# Altium PCB DIOT_Kasli_Adapter.PcbDoc (part 4 of 10)
Units mm, origin at the board's own origin, x right, y up, seen from the top; angles counter-clockwise.
Board outline 220.04 x 100 mm, 12 copper layers (Top Layer, L2GND, L3, L4, L5GND, L6, L7, L8GND, L9, L10, L11GND, Bottom Layer), stack 1.691 mm thick; 201 components, 445 nets, 1582 pads, 691 vias.
Unrouted connection lines stored in the file: 4.
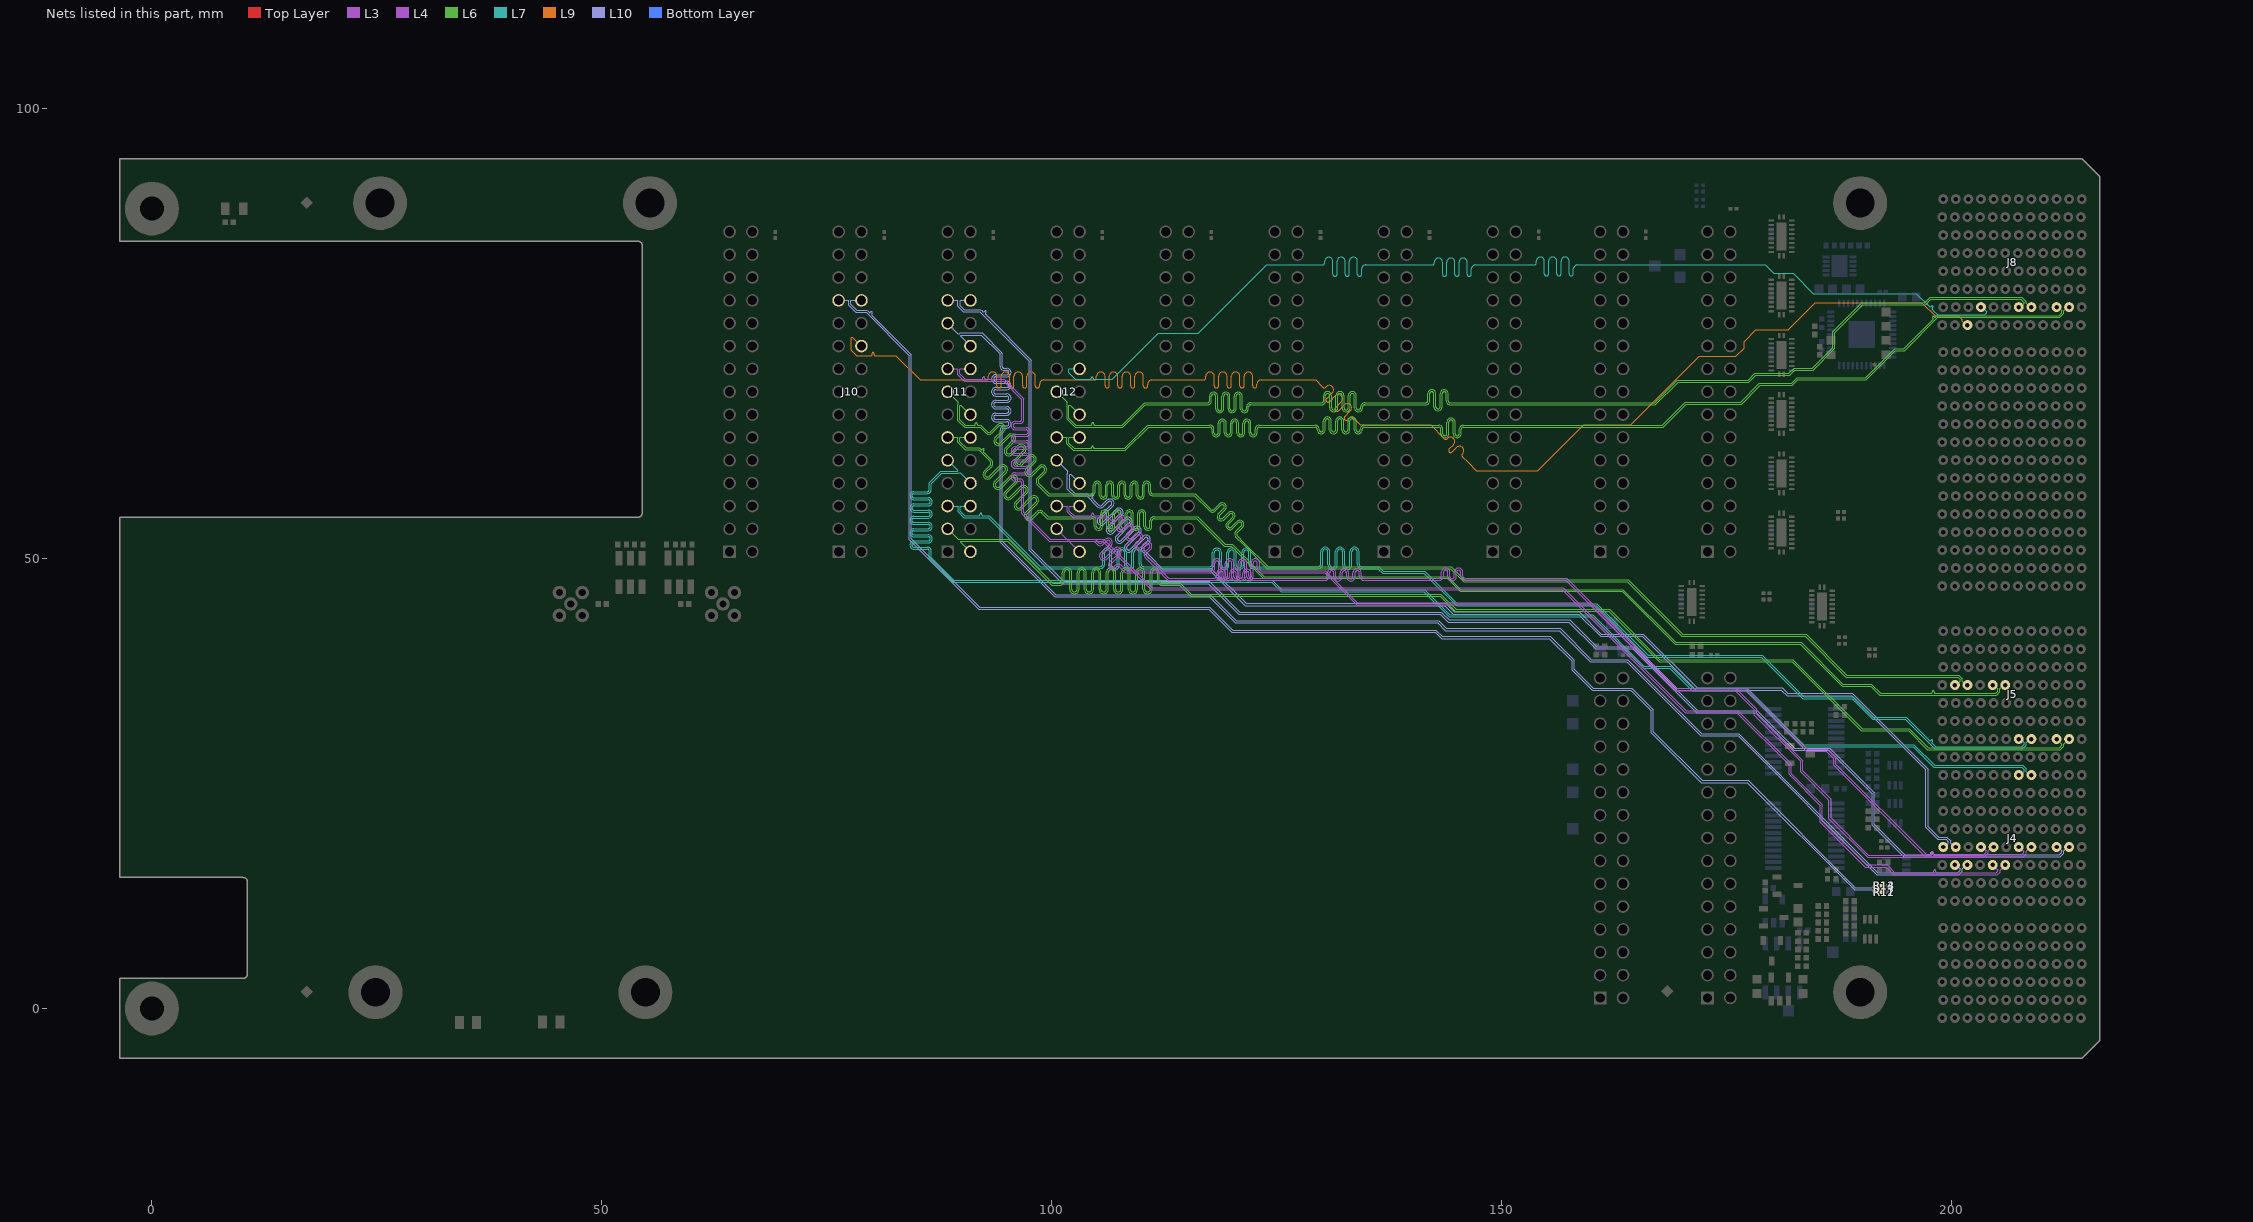
[diagram p14: the nets of this part, all layers, seen from the top]

## Via types
v1: diameter 0.5, hole 0.2, Top Layer to Bottom Layer, tented both sides, 649 vias
v2: diameter 0.5, hole 0.2, Top Layer to Bottom Layer, 32 vias
v3: diameter 0.65, hole 0.3, Top Layer to Bottom Layer, tented both sides, 6 vias
v4: diameter 0.8, hole 0.5, Top Layer to Bottom Layer, tented both sides, 4 vias

## Nets (pads, with @x,y where several pads share a name; then routed paths per layer and width w, separated by ;. In a path a pad name is that pad's centre, name@x,y a point inside that pad or via, vN(x,y) a via of type N, cw(c..) or ccw(c..) an arc to the next point about the centre after c; other vN are vias at no path point) (continued)
EXT1.LVDS_6_P: J8.J1 J10.20 | length 187.4
  L9 w0.089: J10.20@78.849,73.622 77.848,74.623 77.774,74.623 77.722,74.571 77.722,73.173 78.333,72.562 79.731,72.562 79.927,72.562 ccw(c79.927,72.67) 80.035,72.67 80.035,72.804 cw(c80.143,72.804) 80.251,72.804 80.251,72.67 ccw(c80.359,72.67) 80.359,72.562 80.62,72.562 82.664,72.562 85.374,69.852 92.558,69.852 92.723,69.852 ccw(c92.723,70.087) 92.958,70.087 92.958,70.264 cw(c93.434,70.264) 93.91,70.264 93.91,69.198 ccw(c94.145,69.198) 94.38,69.198 94.38,70.264 cw(c94.856,70.264) 95.333,70.264 95.333,69.198 ccw(c95.568,69.198) 95.802,69.198 95.802,70.264 cw(c96.279,70.264) 96.755,70.264 96.755,69.198 ccw(c96.99,69.198) 97.225,69.198 97.225,70.264 cw(c97.701,70.264) 98.177,70.264 98.177,69.198 ccw(c98.412,69.198) 98.647,69.198 98.647,69.375 cw(c99.124,69.375) 99.124,69.852 99.771,69.852 104.572,69.852 104.737,69.852 ccw(c104.737,70.087) 104.972,70.087 104.972,70.264 cw(c105.448,70.264) 105.924,70.264 105.924,69.198 ccw(c106.159,69.198) 106.394,69.198 106.394,70.264 cw(c106.871,70.264) 107.347,70.264 107.347,69.198 ccw(c107.582,69.198) 107.817,69.198 107.817,70.264 cw(c108.293,70.264) 108.769,70.264 108.769,69.198 ccw(c109.004,69.198) 109.239,69.198 109.239,70.264 cw(c109.715,70.264) 110.192,70.264 110.192,69.198 ccw(c110.427,69.198) 110.661,69.198 110.661,69.375 cw(c111.138,69.375) 111.138,69.852 111.938,69.852 116.713,69.852 116.878,69.852 ccw(c116.878,70.087) 117.113,70.087 117.113,70.264 cw(c117.589,70.264) 118.066,70.264 118.066,69.198 ccw(c118.301,69.198) 118.535,69.198 118.535,70.264 cw(c119.012,70.264) 119.488,70.264 119.488,69.198 ccw(c119.723,69.198) 119.958,69.198 119.958,70.264 cw(c120.434,70.264) 120.91,70.264 120.91,69.198 ccw(c121.145,69.198) 121.38,69.198 121.38,70.264 cw(c121.857,70.264) 122.333,70.264 122.333,69.198 ccw(c122.568,69.198) 122.803,69.198 122.803,69.375 cw(c123.279,69.375) 123.279,69.852 124.155,69.852 129.326,69.852 130.005,69.172 130.123,69.055 ccw(c130.288,69.222) 130.454,69.056 130.545,69.147 130.55,69.147 cw(c130.847,68.775) 131.184,69.111 cw(c130.847,68.775) 131.184,68.438 130.538,67.792 ccw(c130.704,67.625) 130.537,67.46 ccw(c130.704,67.625) 130.87,67.459 131.551,68.141 131.555,68.141 cw(c131.853,67.769) 132.189,68.106 cw(c131.853,67.769) 132.189,67.432 131.544,66.786 ccw(c131.709,66.62) 131.543,66.454 ccw(c131.709,66.62) 131.875,66.454 132.557,67.135 132.561,67.135 cw(c132.858,66.763) 133.195,67.1 cw(c132.858,66.763) 133.195,66.426 132.549,65.781 ccw(c132.715,65.614) 132.549,65.448 ; 132.549,65.447 ccw(c132.715,65.614) 132.881,65.448 132.969,65.535 cw(c133.306,65.199) 133.642,65.535 134.247,64.931 134.298,64.879 142.093,64.879 143.516,63.456 143.634,63.338 ccw(c143.799,63.505) 143.965,63.339 144.012,63.386 144.016,63.386 cw(c144.314,63.014) 144.65,63.35 cw(c144.314,63.014) 144.65,62.677 144.166,62.192 ccw(c144.332,62.026) 144.165,61.86 ; 144.166,61.859 ccw(c144.332,62.026) 144.498,61.86 145.018,62.38 145.022,62.38 cw(c145.319,62.008) 145.656,62.345 cw(c145.319,62.008) 145.656,61.671 145.645,61.66 ccw(c145.811,61.493) 145.644,61.328 146.209,60.763 147.2,59.772 154.018,59.772 159.098,64.852 164.355,64.852 171.975,72.472 176.04,72.472 176.948,73.379 176.948,74.106 178.266,75.425 181.863,75.425 184.866,78.428 196.71,78.428 198.165,76.973 200.78,76.973 201.189,76.563 201.189,76.389 201.629,75.95 J8.J1@201.769,75.95
EXT1.LVDS_7_N: J10.24 R13.2 R14.1 | length 158.6
  Top Layer w0.089: v1(191.446,13.612) 191.478,13.612 191.696,13.394 191.965,13.394 192.017,13.446 192.017,13.489 192.183,13.654 R14.1@192.203,13.654
  L10 w0.089: J10.24@78.849,78.702 77.726,78.702 77.674,78.65 77.674,78.263 78.338,77.6 79.466,77.6 79.524,77.542 79.695,77.371 ccw(c79.771,77.448) 79.847,77.371 79.883,77.408 cw(c79.96,77.331) 80.036,77.408 cw(c79.96,77.331) 80.036,77.255 80,77.219 ccw(c80.076,77.142) 80,77.066 80.184,76.882 84.404,72.662 84.404,52.224 92.013,44.615 117.539,44.615 120.09,42.063 142.699,42.063 143.416,41.347 155.403,41.347 158.064,38.686 158.064,37.694 160.167,35.591 164.463,35.591 166.874,33.18 166.874,30.738 172.266,25.346 177.397,25.346 189.323,13.419 191.188,13.419 191.381,13.612 v1(191.446,13.612)
  Bottom Layer w0.089: v1(191.446,13.612) 191.478,13.612 191.696,13.394 191.965,13.394 192.017,13.446 192.017,13.489 192.183,13.654 R13.2@192.203,13.654
EXT1.LVDS_7_P: J10.23 R11.2 R12.1 | length 158.6
  Top Layer w0.089: v1(191.446,12.985) 191.478,12.985 191.696,13.203 191.965,13.203 192.017,13.151 192.017,13.109 192.183,12.943 R12.1@192.203,12.943
  L10 w0.089: J10.23@76.309,78.702 77.381,78.702 77.433,78.65 77.433,78.164 78.238,77.358 79.367,77.358 84.163,72.562 84.163,52.124 91.913,44.374 117.439,44.374 119.99,41.822 142.599,41.822 143.316,41.106 155.303,41.106 157.823,38.586 157.823,37.594 160.067,35.35 164.363,35.35 166.633,33.08 166.633,30.638 172.166,25.104 177.297,25.104 189.223,13.178 191.188,13.178 191.381,12.985 v1(191.446,12.985)
  Bottom Layer w0.089: v1(191.446,12.985) 191.478,12.985 191.696,13.203 191.965,13.203 192.017,13.151 192.017,13.109 192.183,12.943 R11.2@192.203,12.943
EXT2.LVDS_0_N: J5.C2 J11.3 | length 165.5
  L6 w0.089: J11.3@88.428,53.302 89.585,52.145 89.836,52.145 89.863,52.172 95.199,52.172 100.114,47.257 100.736,47.257 100.889,47.257 ccw(c100.889,47.555) 101.187,47.555 101.187,48.453 cw(c101.702,48.453) 102.216,48.453 102.216,46.597 ccw(c102.514,46.597) 102.813,46.597 102.813,48.453 cw(c103.327,48.453) 103.842,48.453 103.842,46.597 ccw(c104.14,46.597) 104.438,46.597 104.438,48.453 cw(c104.953,48.453) 105.467,48.453 105.467,46.597 ccw(c105.766,46.597) 106.064,46.597 106.064,48.453 cw(c106.578,48.453) 107.093,48.453 107.093,46.597 ccw(c107.391,46.597) 107.69,46.597 107.69,48.453 cw(c108.204,48.453) 108.718,48.453 108.718,46.597 ccw(c109.017,46.597) 109.315,46.597 109.315,48.453 cw(c109.83,48.453) 110.344,48.453 110.344,46.597 ccw(c110.642,46.597) 110.941,46.597 110.941,48.453 cw(c111.455,48.453) 111.97,48.453 111.97,47.555 ccw(c112.268,47.555) 112.268,47.257 113.125,47.257 114.287,47.257 115.514,46.03 143.251,46.03 144.934,44.347 162.012,44.347 167.585,38.773 182.357,38.773 190.064,31.066 195.324,31.066 197.39,29 211.997,29 212.261,29.263 212.261,29.358 J5.C2@211.669,29.95
EXT2.LVDS_0_P: J5.B2 J11.2 | length 165.5
  L6 w0.089: J11.2@90.968,50.762 89.9,51.83 89.9,51.904 89.952,51.956 95.11,51.956 100.025,47.041 100.736,47.041 100.889,47.041 ccw(c100.889,47.555) 101.403,47.555 101.403,48.453 cw(c101.702,48.453) 102,48.453 102,46.597 ccw(c102.514,46.597) 103.029,46.597 103.029,48.453 cw(c103.327,48.453) 103.626,48.453 103.626,46.597 ccw(c104.14,46.597) 104.654,46.597 104.654,48.453 cw(c104.953,48.453) 105.251,48.453 105.251,46.597 ccw(c105.766,46.597) 106.28,46.597 106.28,48.453 cw(c106.578,48.453) 106.877,48.453 106.877,46.597 ccw(c107.391,46.597) 107.906,46.597 107.906,48.453 cw(c108.204,48.453) 108.502,48.453 108.502,46.597 ccw(c109.017,46.597) 109.531,46.597 109.531,48.453 cw(c109.83,48.453) 110.128,48.453 110.128,46.597 ccw(c110.642,46.597) 111.157,46.597 111.157,48.453 cw(c111.455,48.453) 111.754,48.453 111.754,47.555 ccw(c112.268,47.555) 112.268,47.041 113.125,47.041 114.198,47.041 115.425,45.814 143.161,45.814 144.844,44.131 161.922,44.131 167.496,38.557 182.268,38.557 189.975,30.85 195.235,30.85 197.301,28.784 212.087,28.784 212.477,29.174 212.477,29.358 J5.B2@213.069,29.95
EXT2.LVDS_1_N: J5.F2 J11.6 | length 165.6
  L7 w0.089: J11.6@90.968,55.842 89.858,55.842 89.806,55.79 89.806,55.284 90.32,54.769 91.669,54.769 91.916,54.769 ccw(c91.916,54.877) 92.024,54.877 92.024,54.938 cw(c92.132,54.938) 92.24,54.938 92.24,54.877 ccw(c92.348,54.877) 92.348,54.769 92.608,54.769 93.036,54.769 98.695,49.111 105.207,49.111 105.359,49.111 ccw(c105.359,49.409) 105.658,49.409 105.658,50.676 cw(c106.172,50.676) 106.686,50.676 106.686,49.232 ccw(c106.985,49.232) 107.283,49.232 107.283,50.676 cw(c107.798,50.676) 108.312,50.676 108.312,49.232 ccw(c108.61,49.232) 108.909,49.232 108.909,50.676 cw(c109.423,50.676) 109.938,50.676 109.938,49.409 ccw(c110.236,49.409) 110.236,49.111 111.176,49.111 117.399,49.111 117.551,49.111 ccw(c117.551,49.409) 117.85,49.409 117.85,50.649 cw(c118.364,50.649) 118.878,50.649 118.878,49.282 ccw(c119.177,49.282) 119.475,49.282 119.475,50.649 cw(c119.99,50.649) 120.504,50.649 120.504,49.282 ccw(c120.802,49.282) 121.101,49.282 121.101,50.649 cw(c121.615,50.649) 122.13,50.649 122.13,49.409 ccw(c122.428,49.409) 122.428,49.111 123.676,49.111 129.436,49.111 129.589,49.111 ccw(c129.589,49.409) 129.887,49.409 129.887,50.742 cw(c130.401,50.742) 130.916,50.742 130.916,49.308 ccw(c131.214,49.308) 131.513,49.308 131.513,50.742 cw(c132.027,50.742) 132.541,50.742 132.541,49.308 ccw(c132.84,49.308) 133.138,49.308 133.138,50.742 cw(c133.653,50.742) 134.167,50.742 134.167,49.409 ccw(c134.465,49.409) 134.465,49.111 136.136,49.111 136.336,49.111 136.853,48.593 141.449,48.593 145.077,44.966 160.59,44.966 166.286,39.269 178.942,39.269 183.553,34.658 189.034,34.658 191.322,32.37 194.941,32.37 197.501,29.811 197.533,29.779 ccw(c197.609,29.855) 197.685,29.779 197.725,29.819 cw(c197.802,29.743) 197.878,29.819 cw(c197.802,29.743) 197.878,29.666 197.838,29.626 ccw(c197.914,29.55) 197.838,29.474 197.959,29.353 198.236,29.076 207.773,29.076 208.061,29.364 208.061,29.534 207.645,29.95 J5.F2@207.469,29.95
EXT2.LVDS_1_P: J5.E2 J11.5 | length 165.6
  L7 w0.089: J11.5@88.428,55.842 89.538,55.842 89.59,55.79 89.59,55.194 90.231,54.554 92.947,54.554 98.605,48.895 105.207,48.895 105.359,48.895 ccw(c105.359,49.409) 105.874,49.409 105.874,50.676 cw(c106.172,50.676) 106.47,50.676 106.47,49.232 ccw(c106.985,49.232) 107.499,49.232 107.499,50.676 cw(c107.798,50.676) 108.096,50.676 108.096,49.232 ccw(c108.61,49.232) 109.125,49.232 109.125,50.676 cw(c109.423,50.676) 109.722,50.676 109.722,49.409 ccw(c110.236,49.409) 110.236,48.895 111.176,48.895 117.399,48.895 117.551,48.895 ccw(c117.551,49.409) 118.066,49.409 118.066,50.649 cw(c118.364,50.649) 118.662,50.649 118.662,49.282 ccw(c119.177,49.282) 119.691,49.282 119.691,50.649 cw(c119.99,50.649) 120.288,50.649 120.288,49.282 ccw(c120.802,49.282) 121.317,49.282 121.317,50.649 cw(c121.615,50.649) 121.914,50.649 121.914,49.409 ccw(c122.428,49.409) 122.428,48.895 123.676,48.895 129.436,48.895 129.589,48.895 ccw(c129.589,49.409) 130.103,49.409 130.103,50.742 cw(c130.401,50.742) 130.7,50.742 130.7,49.308 ccw(c131.214,49.308) 131.729,49.308 131.729,50.742 cw(c132.027,50.742) 132.326,50.742 132.326,49.308 ccw(c132.84,49.308) 133.354,49.308 133.354,50.742 cw(c133.653,50.742) 133.951,50.742 133.951,49.409 ccw(c134.465,49.409) 134.465,48.895 136.136,48.895 136.246,48.895 136.764,48.377 141.36,48.377 144.987,44.75 160.5,44.75 166.197,39.053 178.853,39.053 183.464,34.442 188.945,34.442 191.233,32.155 194.852,32.155 198.146,28.86 207.863,28.86 208.277,29.274 208.277,29.561 208.666,29.95 J5.E2@208.869,29.95
EXT2.LVDS_2_N: J4.F8 J11.9 | length 165.6
  L7 w0.089: J11.9@88.428,60.922 89.532,59.818 89.532,59.745 89.479,59.693 87.666,59.693 86.403,58.43 86.403,58.228 86.403,57.683 cw(c86.168,57.683) 86.168,57.448 84.687,57.448 ccw(c84.687,56.998) 84.687,56.547 86.27,56.547 cw(c86.27,56.312) 86.27,56.077 84.687,56.077 ccw(c84.687,55.626) 84.687,55.175 86.27,55.175 cw(c86.27,54.94) 86.27,54.705 84.687,54.705 ccw(c84.687,54.254) 84.687,53.804 86.27,53.804 cw(c86.27,53.569) 86.27,53.334 84.687,53.334 ccw(c84.687,52.883) 84.687,52.432 86.27,52.432 cw(c86.27,52.197) 86.27,51.962 84.687,51.962 ccw(c84.687,51.511) 84.687,51.06 86.168,51.06 cw(c86.168,50.825) 86.403,50.825 86.403,50.673 86.403,50.009 89.039,47.374 124.439,47.374 125.495,46.317 141.363,46.317 144.161,43.519 160.023,43.519 165.725,37.817 168.677,37.817 171.197,35.297 177.275,35.297 183.464,29.108 195.732,29.108 198.03,26.81 207.802,26.81 208.061,26.551 208.061,26.366 207.645,25.95 J4.F8@207.469,25.95
EXT2.LVDS_2_P: J4.E8 J11.8 | length 165.5
  L7 w0.089: J11.8@90.968,58.382 89.811,59.539 89.631,59.539 89.569,59.477 87.756,59.477 86.619,58.34 86.619,58.228 86.619,57.683 cw(c86.168,57.683) 86.168,57.233 84.687,57.233 ccw(c84.687,56.998) 84.687,56.763 86.27,56.763 cw(c86.27,56.312) 86.27,55.861 84.687,55.861 ccw(c84.687,55.626) 84.687,55.391 86.27,55.391 cw(c86.27,54.94) 86.27,54.489 84.687,54.489 ccw(c84.687,54.254) 84.687,54.019 86.27,54.019 cw(c86.27,53.569) 86.27,53.118 84.687,53.118 ccw(c84.687,52.883) 84.687,52.648 86.27,52.648 cw(c86.27,52.197) 86.27,51.746 84.687,51.746 ccw(c84.687,51.511) 84.687,51.276 86.168,51.276 cw(c86.168,50.825) 86.619,50.825 86.619,50.673 86.619,50.098 89.128,47.589 124.528,47.589 125.584,46.533 141.452,46.533 144.25,43.735 160.112,43.735 165.814,38.033 168.766,38.033 171.286,35.513 177.364,35.513 183.554,29.324 195.822,29.324 198.12,27.026 207.891,27.026 208.277,26.64 208.277,26.339 208.666,25.95 J4.E8@208.869,25.95
EXT2.LVDS_3_N: J5.H5 J11.12 | length 165.6
  L6 w0.089: J11.12@90.968,63.462 89.845,63.462 89.793,63.41 89.793,62.998 90.49,62.301 91.951,62.301 91.957,62.294 92.118,62.134 ccw(c92.194,62.21) 92.27,62.134 92.309,62.173 cw(c92.385,62.096) 92.462,62.173 cw(c92.385,62.096) 92.462,62.02 92.423,61.981 ccw(c92.499,61.905) 92.423,61.829 92.607,61.645 92.638,61.613 93.337,60.915 93.337,60.912 cw(c92.942,60.583) 93.305,60.219 92.658,59.572 ; 92.658,59.572 ccw(c92.869,59.36) 92.657,59.15 92.658,59.149 ccw(c92.869,59.36) 93.08,59.149 94.244,60.313 94.247,60.313 cw(c94.576,59.918) 94.939,60.282 cw(c94.576,59.918) 94.939,59.554 93.808,58.423 ; 93.807,58.422 ccw(c94.018,58.211) 93.807,58.001 93.808,57.999 ccw(c94.018,58.211) 94.229,58 95.393,59.164 95.396,59.164 cw(c95.725,58.768) 96.089,59.132 cw(c95.725,58.768) 96.089,58.405 94.957,57.273 ; 94.957,57.273 ccw(c95.168,57.062) 94.956,56.851 94.957,56.85 ccw(c95.168,57.062) 95.379,56.851 96.542,58.014 96.546,58.014 cw(c96.875,57.619) 97.238,57.983 cw(c96.875,57.619) 97.238,57.255 96.107,56.124 ccw(c96.317,55.912) 96.105,55.702 96.107,55.7 ccw(c96.317,55.912) 96.528,55.701 97.692,56.865 97.695,56.865 cw(c98.024,56.47) 98.388,56.833 cw(c98.024,56.47) 98.388,56.106 97.256,54.974 ccw(c97.467,54.763) 97.255,54.552 97.256,54.551 ccw(c97.467,54.763) 97.678,54.552 98.325,55.199 cw(c98.689,54.835) 99.018,55.231 99.021,55.231 99.16,55.091 99.601,54.651 103.784,54.651 104.511,54.651 cw(c104.511,54.2) 104.962,54.2 104.962,53.603 ccw(c105.197,53.603) 105.432,53.603 105.432,54.962 cw(c105.883,54.962) 106.334,54.962 106.334,53.601 ccw(c106.569,53.601) 106.803,53.601 106.803,54.962 cw(c107.254,54.962) 107.705,54.962 107.705,53.601 ccw(c107.94,53.601) 108.175,53.601 108.175,54.962 cw(c108.626,54.962) 109.077,54.962 109.077,53.601 ccw(c109.312,53.601) 109.547,53.601 109.547,54.962 cw(c109.998,54.962) 110.448,54.962 110.448,53.601 ccw(c110.683,53.601) 110.918,53.601 110.918,54.2 cw(c111.369,54.2) 111.369,54.651 111.522,54.651 116.204,54.651 119.268,51.587 120.04,51.587 123.617,48.011 144.028,48.011 145.474,46.565 163.471,46.565 169.358,40.678 183.3,40.678 187.92,36.058 191.09,36.058 192.107,35.041 197.714,35.041 197.758,35.041 ccw(c197.758,35.149) 197.866,35.149 197.866,35.193 cw(c197.974,35.193) 198.082,35.193 198.082,35.149 ccw(c198.19,35.149) 198.19,35.041 198.526,35.041 204.917,35.041 205.161,35.285 205.161,35.524 204.734,35.95 J5.H5@204.569,35.95
EXT2.LVDS_3_P: J5.G5 J11.11 | length 165.6
  L6 w0.089: J11.11@88.428,63.462 89.525,63.462 89.577,63.41 89.577,62.908 90.4,62.085 91.861,62.085 92.486,61.461 93.152,60.794 ; 93.152,60.794 cw(c92.942,60.583) 93.153,60.372 92.473,59.693 92.473,59.69 ccw(c92.869,59.36) 92.505,58.997 ccw(c92.869,59.36) 93.232,58.997 94.364,60.129 cw(c94.576,59.918) 94.787,60.129 cw(c94.576,59.918) 94.787,59.707 93.623,58.543 93.623,58.54 ccw(c94.018,58.211) 93.654,57.847 ccw(c94.018,58.211) 94.382,57.847 95.514,58.979 cw(c95.725,58.768) 95.936,58.979 cw(c95.725,58.768) 95.936,58.557 94.772,57.394 94.772,57.391 ccw(c95.168,57.062) 94.804,56.698 ccw(c95.168,57.062) 95.531,56.698 96.663,57.83 cw(c96.875,57.619) 97.086,57.83 cw(c96.875,57.619) 97.086,57.408 95.922,56.244 95.922,56.241 ccw(c96.317,55.912) 95.953,55.548 ccw(c96.317,55.912) 96.681,55.548 97.813,56.68 ; 97.813,56.681 cw(c98.024,56.47) 98.235,56.681 cw(c98.024,56.47) 98.235,56.258 97.071,55.095 97.071,55.092 ccw(c97.467,54.763) 97.103,54.399 ccw(c97.467,54.763) 97.83,54.399 98.478,55.046 cw(c98.689,54.835) 98.9,55.046 99.008,54.939 99.511,54.435 103.784,54.435 104.511,54.435 cw(c104.511,54.2) 104.746,54.2 104.746,53.603 ccw(c105.197,53.603) 105.648,53.603 105.648,54.962 cw(c105.883,54.962) 106.118,54.962 106.118,53.601 ccw(c106.569,53.601) 107.019,53.601 107.019,54.962 cw(c107.254,54.962) 107.489,54.962 107.489,53.601 ccw(c107.94,53.601) 108.391,53.601 108.391,54.962 cw(c108.626,54.962) 108.861,54.962 108.861,53.601 ccw(c109.312,53.601) 109.763,53.601 109.763,54.962 cw(c109.998,54.962) 110.232,54.962 110.232,53.601 ccw(c110.683,53.601) 111.134,53.601 111.134,54.2 cw(c111.369,54.2) 111.369,54.435 111.522,54.435 116.115,54.435 119.179,51.372 119.951,51.372 123.527,47.795 143.938,47.795 145.384,46.349 163.382,46.349 169.269,40.462 183.211,40.462 187.831,35.843 191,35.843 192.017,34.826 197.714,34.826 205.006,34.826 205.377,35.196 205.377,35.524 205.803,35.95 J5.G5@205.969,35.95
EXT2.LVDS_4_N: J5.K5 J11.15 | length 165.5
  L6 w0.089: J11.15@88.428,68.542 89.591,67.379 89.591,67.127 89.565,67.101 89.565,65.345 90.321,64.588 92.039,64.588 92.55,64.077 92.658,63.969 ccw(c93.022,64.333) 93.386,63.969 94.114,64.698 ; 94.115,64.698 cw(c94.326,64.487) 94.537,64.698 cw(c94.326,64.487) 94.537,64.276 93.676,63.416 93.676,63.413 ccw(c94.072,63.084) 94.435,62.72 95.264,63.548 ; 95.264,63.549 cw(c95.475,63.338) 95.686,63.549 cw(c95.475,63.338) 95.686,63.127 94.826,62.266 94.826,62.263 ccw(c95.221,61.934) 95.585,61.571 96.413,62.399 ; 96.414,62.399 cw(c96.625,62.188) 96.836,62.399 cw(c96.625,62.188) 96.836,61.977 95.975,61.117 95.975,61.114 ccw(c96.371,60.785) 96.734,60.421 97.563,61.249 ; 97.563,61.25 cw(c97.774,61.039) 97.985,61.25 cw(c97.774,61.039) 97.985,60.828 97.125,59.968 97.125,59.964 ccw(c97.52,59.635) 97.884,59.272 98.712,60.1 ; 98.713,60.1 cw(c98.924,59.889) 99.135,60.1 cw(c98.924,59.889) 99.135,59.678 98.406,58.949 ccw(c98.769,58.586) 98.406,58.222 98.85,57.778 99.631,56.996 104.216,56.996 104.369,56.996 ccw(c104.369,57.447) 104.819,57.447 104.819,58.145 cw(c105.054,58.145) 105.289,58.145 105.289,57.066 ccw(c105.74,57.066) 106.191,57.066 106.191,58.145 cw(c106.426,58.145) 106.661,58.145 106.661,57.066 ccw(c107.112,57.066) 107.563,57.066 107.563,58.145 cw(c107.798,58.145) 108.033,58.145 108.033,57.066 ccw(c108.483,57.066) 108.934,57.066 108.934,58.145 cw(c109.169,58.145) 109.404,58.145 109.404,57.066 ccw(c109.855,57.066) 110.306,57.066 110.306,58.145 cw(c110.541,58.145) 110.776,58.145 110.776,57.447 ccw(c111.227,57.447) 111.227,56.996 111.785,56.996 115.85,56.996 117.436,55.409 117.543,55.302 ccw(c117.863,55.62) 118.182,55.302 118.79,55.91 cw(c118.956,55.744) 119.123,55.91 cw(c118.956,55.744) 119.123,55.579 118.51,54.966 ccw(c118.829,54.647) 118.51,54.328 ccw(c118.829,54.647) 119.148,54.328 119.76,54.94 cw(c119.926,54.774) 120.092,54.94 cw(c119.926,54.774) 120.093,54.609 119.48,53.996 ccw(c119.799,53.677) 119.48,53.358 ccw(c119.799,53.677) 120.118,53.358 ; 120.118,53.359 120.73,53.971 cw(c120.896,53.804) 121.062,53.971 cw(c120.896,53.804) 121.063,53.639 120.454,53.03 ccw(c120.772,52.711) 120.454,52.391 121.208,51.638 123.972,48.873 144.315,48.873 145.765,47.423 163.962,47.423 170.034,41.351 183.736,41.351 188.253,36.834 200.697,36.834 200.961,36.57 200.961,36.366 200.545,35.95 J5.K5@200.369,35.95
EXT2.LVDS_4_P: J5.J5 J11.14 | length 165.5
  L6 w0.089: J11.14@90.968,66.002 89.906,67.064 89.833,67.064 89.781,67.012 89.781,65.434 90.411,64.804 91.211,64.804 91.408,64.804 ccw(c91.408,64.912) 91.516,64.912 91.516,64.973 cw(c91.624,64.973) 91.732,64.973 91.732,64.912 ccw(c91.84,64.912) 91.84,64.804 92.1,64.804 92.129,64.804 92.703,64.23 92.811,64.122 ccw(c93.022,64.333) 93.233,64.122 93.994,64.883 93.997,64.883 cw(c94.326,64.487) 94.689,64.851 cw(c94.326,64.487) 94.689,64.124 93.861,63.295 ccw(c94.072,63.084) 93.86,62.873 93.861,62.872 ccw(c94.072,63.084) 94.283,62.873 95.143,63.733 95.146,63.733 cw(c95.475,63.338) 95.839,63.702 cw(c95.475,63.338) 95.839,62.974 95.011,62.146 ccw(c95.221,61.934) 95.01,61.724 95.011,61.723 ccw(c95.221,61.934) 95.432,61.723 96.293,62.584 96.296,62.584 cw(c96.625,62.188) 96.988,62.552 cw(c96.625,62.188) 96.988,61.825 96.16,60.996 ccw(c96.371,60.785) 96.159,60.574 96.16,60.573 ccw(c96.371,60.785) 96.582,60.574 97.442,61.434 97.445,61.434 cw(c97.774,61.039) 98.138,61.403 cw(c97.774,61.039) 98.138,60.675 97.31,59.847 ccw(c97.52,59.635) 97.309,59.425 97.31,59.424 ccw(c97.52,59.635) 97.731,59.424 98.592,60.285 98.595,60.285 cw(c98.924,59.889) 99.287,60.253 cw(c98.924,59.889) 99.287,59.526 98.558,58.797 ccw(c98.769,58.586) 98.558,58.375 99.002,57.931 99.721,57.212 104.216,57.212 104.369,57.212 ccw(c104.369,57.447) 104.604,57.447 104.604,58.145 cw(c105.054,58.145) 105.505,58.145 105.505,57.066 ccw(c105.74,57.066) 105.975,57.066 105.975,58.145 cw(c106.426,58.145) 106.877,58.145 106.877,57.066 ccw(c107.112,57.066) 107.347,57.066 107.347,58.145 cw(c107.798,58.145) 108.248,58.145 108.248,57.066 ccw(c108.483,57.066) 108.718,57.066 108.718,58.145 cw(c109.169,58.145) 109.62,58.145 109.62,57.066 ccw(c109.855,57.066) 110.09,57.066 110.09,58.145 cw(c110.541,58.145) 110.992,58.145 110.992,57.447 ccw(c111.227,57.447) 111.227,57.212 111.785,57.212 115.939,57.212 117.589,55.562 117.697,55.454 ccw(c117.863,55.62) 118.029,55.454 118.638,56.063 cw(c118.956,55.744) 119.275,56.063 cw(c118.956,55.744) 119.275,55.425 118.663,54.813 ccw(c118.829,54.647) 118.663,54.481 ccw(c118.829,54.647) 118.995,54.48 119.607,55.093 cw(c119.926,54.774) 120.245,55.093 cw(c119.926,54.774) 120.245,54.456 ; 120.245,54.455 119.633,53.843 ccw(c119.799,53.677) 119.633,53.511 ccw(c119.799,53.677) 119.964,53.51 120.577,54.123 cw(c120.896,53.804) 121.215,54.123 cw(c120.896,53.804) 121.215,53.486 120.606,52.877 ccw(c120.772,52.711) 120.606,52.545 121.361,51.79 124.062,49.089 144.404,49.089 145.854,47.639 164.052,47.639 170.123,41.567 183.826,41.567 188.343,37.05 200.786,37.05 201.177,36.66 201.177,36.354 201.581,35.95 J5.J5@201.769,35.95